# Altium PCB 2-quilter-output.pcbdoc (part 1 of 17) (continued)
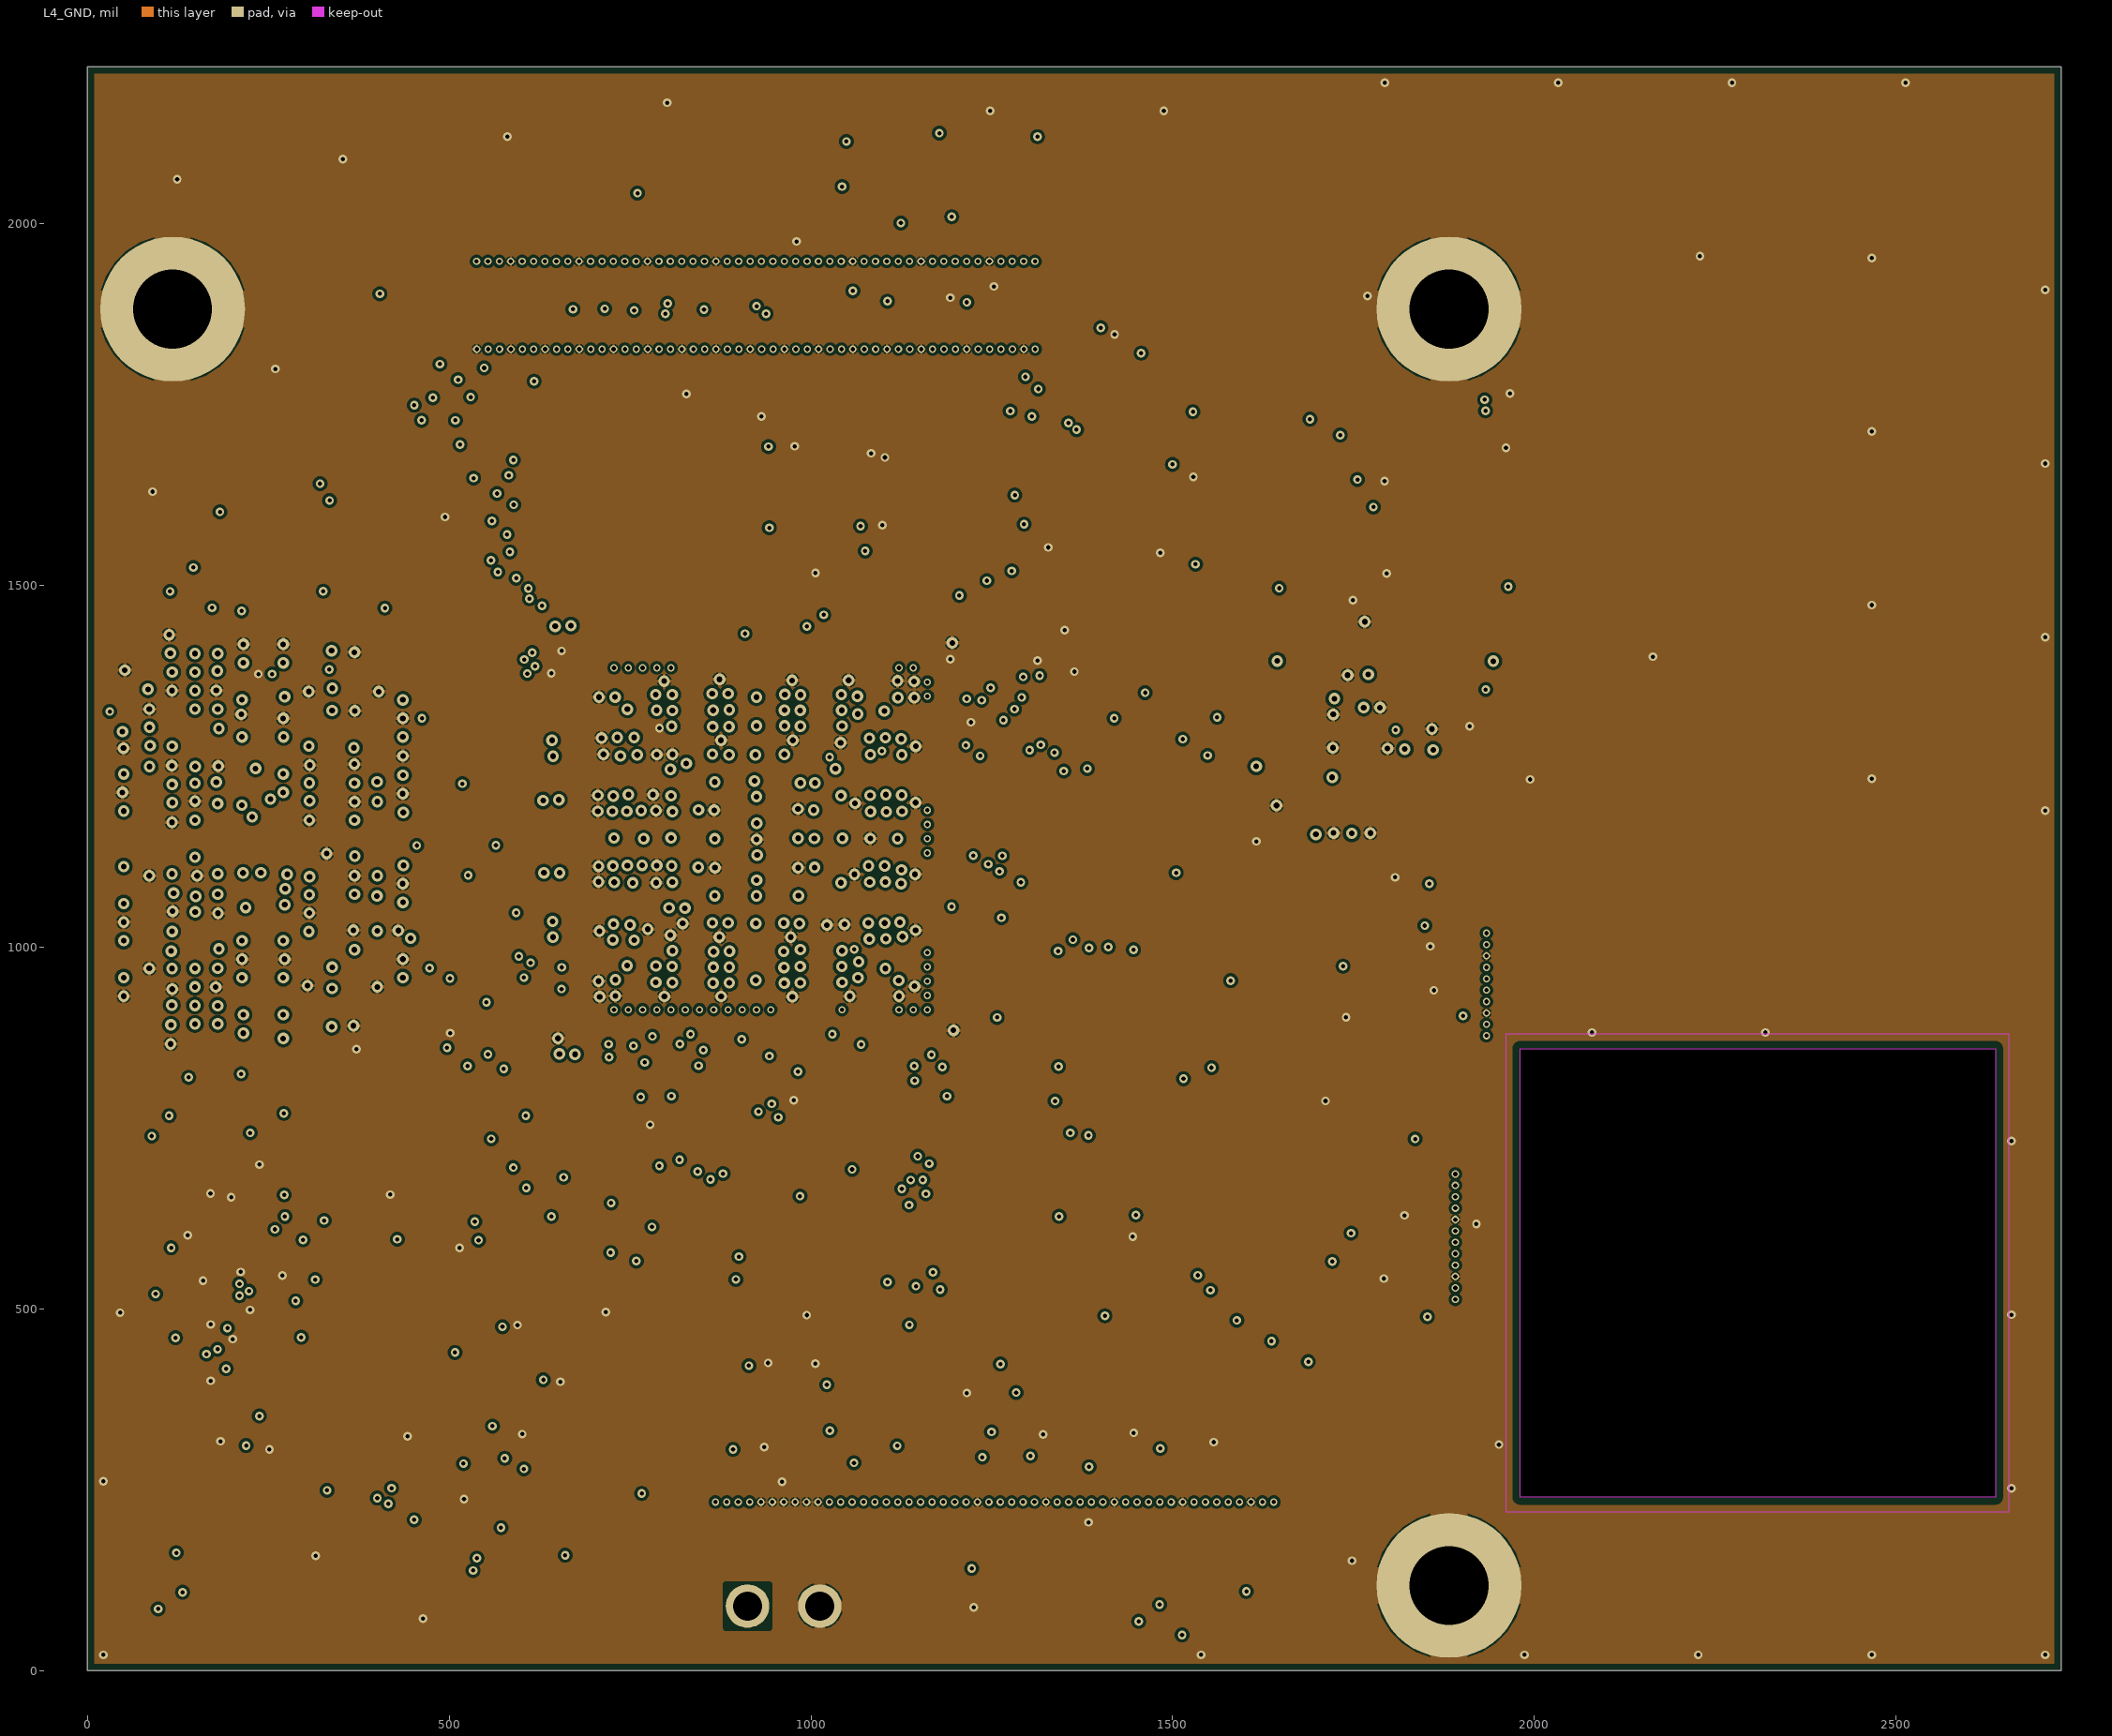
[diagram p4: L4_GND]
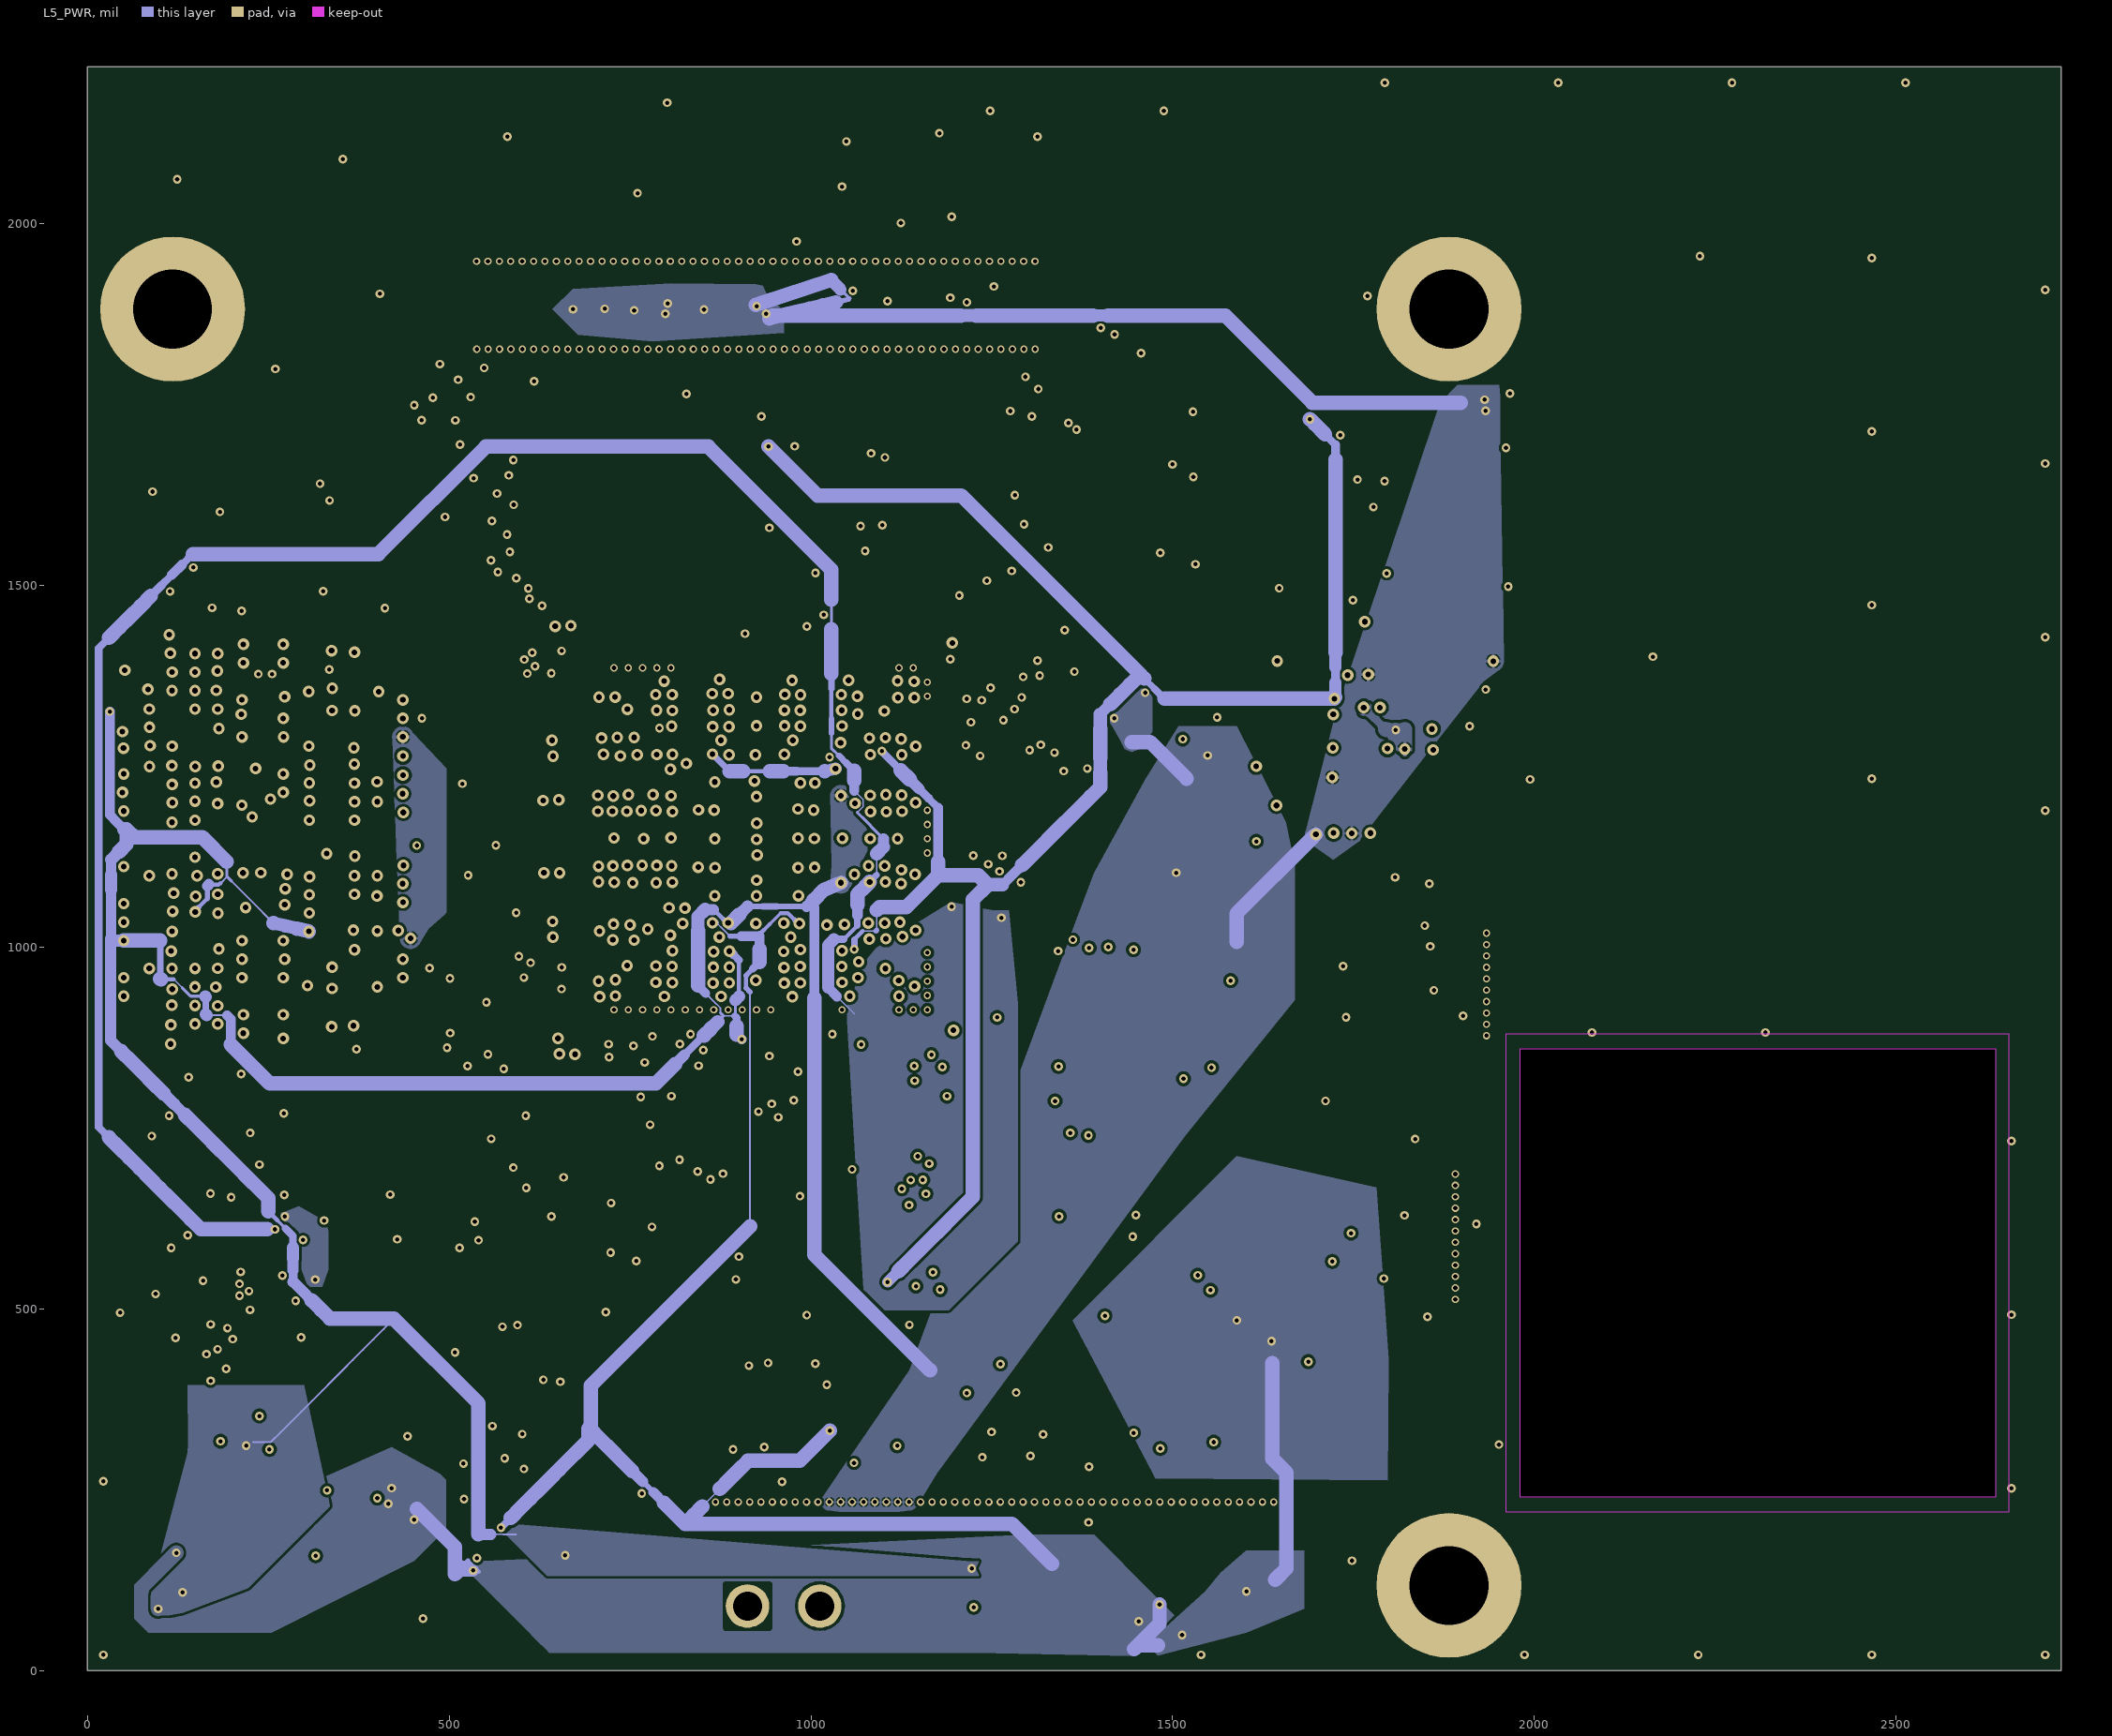
[diagram p5: L5_PWR]
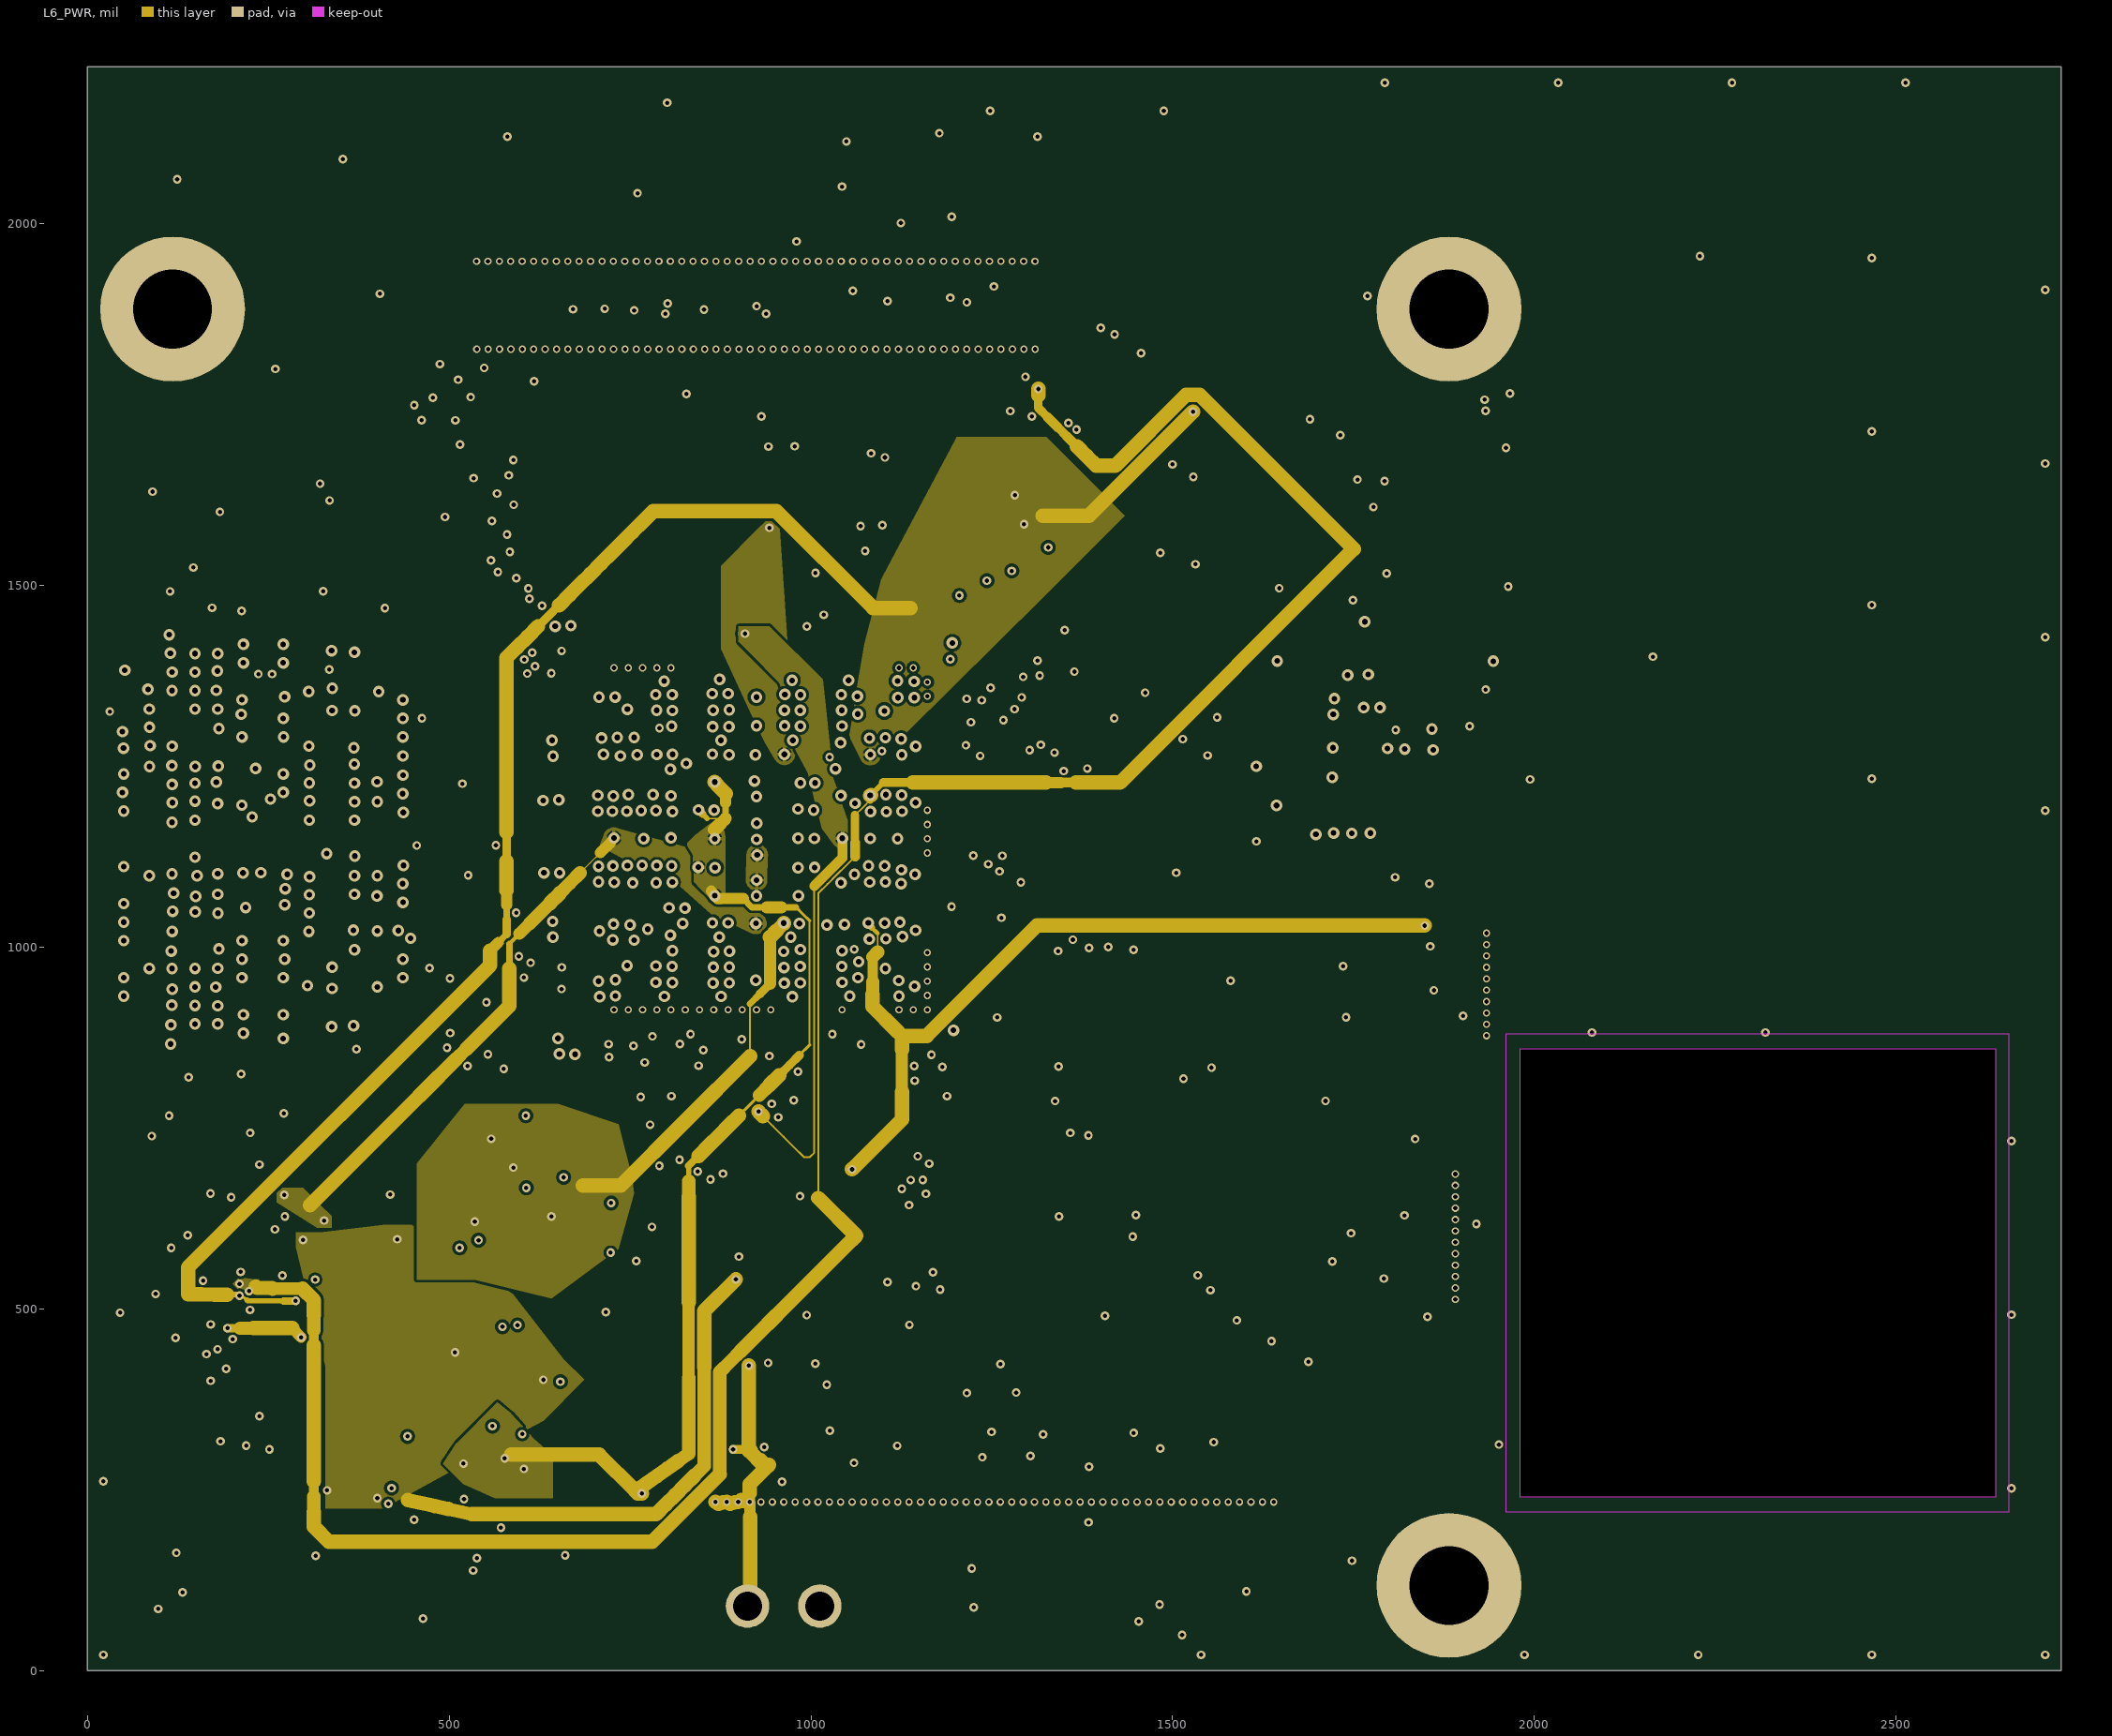
[diagram p6: L6_PWR]